# Altium PCB Horizontal Circuit Board.PcbDoc (part 2 of 2) (continued)
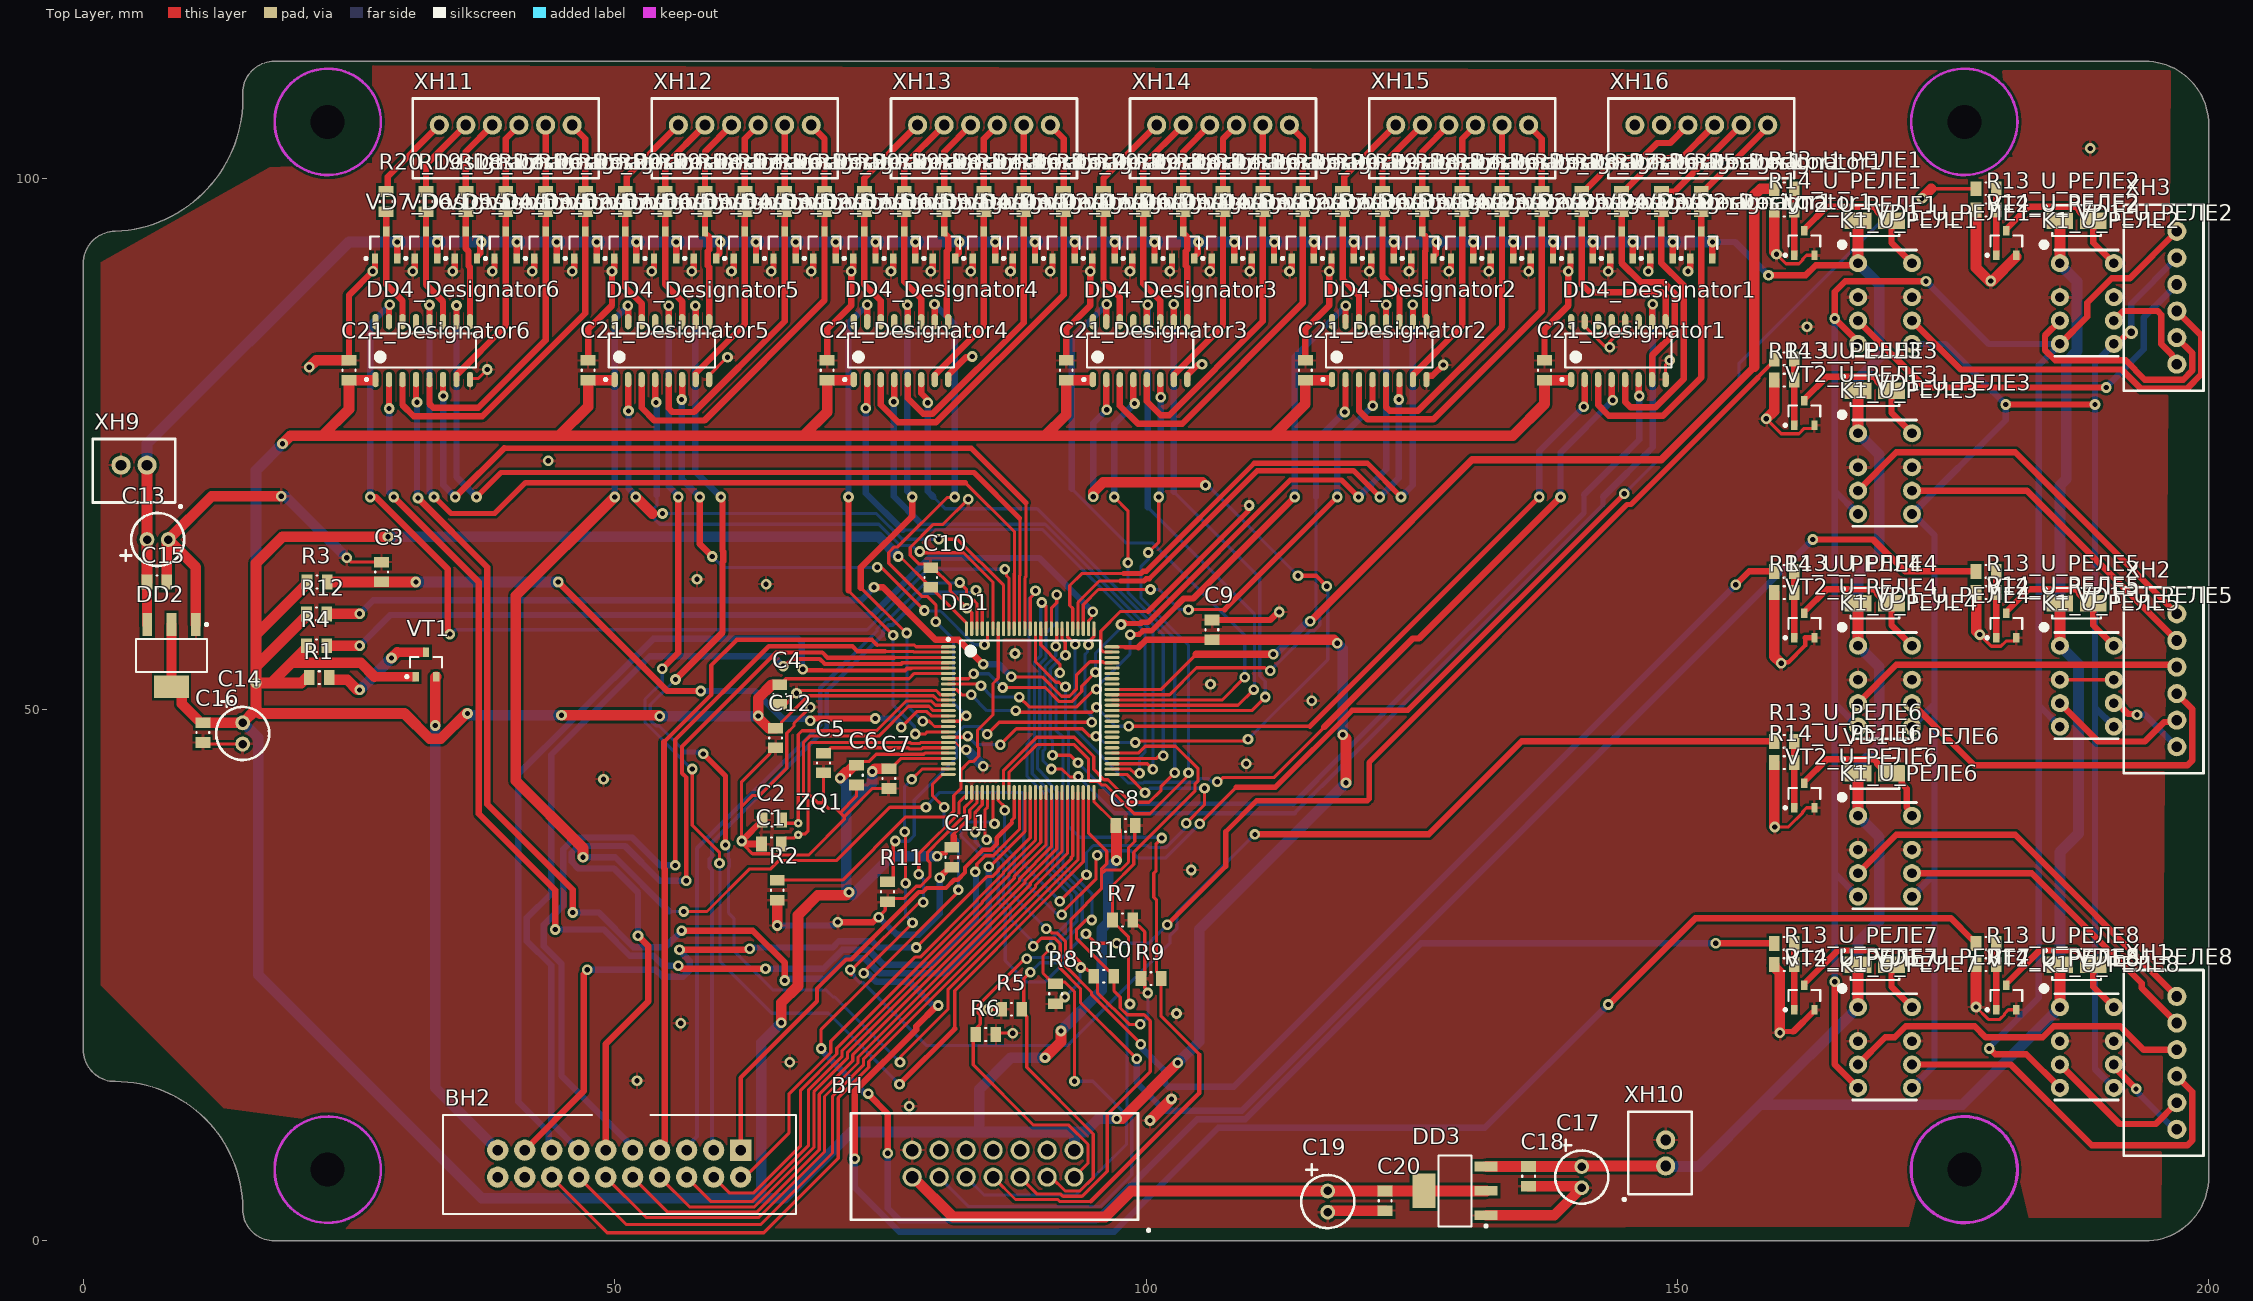
[diagram p0: Top Layer view]
## Nets (pads, with @x,y where several pads share a name; then routed paths per layer and width w, separated by ;. In a path a pad name is that pad's centre, name@x,y a point inside that pad or via, vN(x,y) a via of type N, cw(c..) or ccw(c..) an arc to the next point about the centre after c; other vN are vias at no path point) (continued)
NetDD4_Designator4_5: DD4_Designator4.5 R16_Designator4.2 VD3_Designator4.3 | length 27.3
  Top Layer w0.6: DD4_Designator4.5@77.58,81.05 77.58,79.279 79.038,77.821 79.912,77.821 88.5,86.409 VD3_Designator4.3@88.5,95 R16_Designator4.2@88.5,96.85
NetDD4_Designator4_7: DD4_Designator4.7 R17_Designator4.2 VD4_Designator4.3 | length 17.7
  Top Layer w0.6: DD4_Designator4.7@80.12,81.05 80.12,81.475 84.75,86.105 VD4_Designator4.3@84.75,95 R17_Designator4.2@84.75,96.85
NetDD4_Designator4_9: DD4_Designator4.9 R18_Designator4.2 VD5_Designator4.3 | length 10.7
  Top Layer w0.6: R18_Designator4.2@81,96.85 81,94.825 81.039,94.825 81.39,94.474 81.39,93.272 81.25,93.132 81.25,87.065 81.39,86.925 DD4_Designator4.9@81.39,86.5
NetDD4_Designator4_11: DD4_Designator4.11 R19_Designator4.2 VD6_Designator4.3 | length 11
  Top Layer w0.6: R19_Designator4.2@77.25,96.85 VD6_Designator4.3@77.25,95 77.25,90.25 78.85,88.65 DD4_Designator4.11@78.85,86.5
NetDD4_Designator4_14: DD4_Designator4.14 R20_Designator4.2 VD7_Designator4.3 | length 11
  Top Layer w0.6: R20_Designator4.2@73.5,96.85 VD7_Designator4.3@73.5,95 73.5,90 75.04,88.46 DD4_Designator4.14@75.04,86.5
NetDD4_Designator5_3: DD4_Designator5.3 R15_Designator5.2 VD2_Designator5.3 | length 33.4
  Top Layer w0.6: DD4_Designator5.3@52.54,81.05 52.54,78.394 53.734,77.2 58.45,77.2 69.75,88.5 VD2_Designator5.3@69.75,95 R15_Designator5.2@69.75,96.85
NetDD4_Designator5_5: DD4_Designator5.5 R16_Designator5.2 VD3_Designator5.3 | length 27.6
  Top Layer w0.6: DD4_Designator5.5@55.08,81.05 55.08,78.351 55.431,78 57.473,78 66,86.527 VD3_Designator5.3@66,95 R16_Designator5.2@66,96.85
NetDD4_Designator5_7: DD4_Designator5.7 R17_Designator5.2 VD4_Designator5.3 | length 17.7
  Top Layer w0.6: DD4_Designator5.7@57.62,81.05 57.62,81.636 62.25,86.266 VD4_Designator5.3@62.25,95 R17_Designator5.2@62.25,96.85
NetDD4_Designator5_9: DD4_Designator5.9 R18_Designator5.2 VD5_Designator5.3 | length 10.7
  Top Layer w0.6: R18_Designator5.2@58.5,96.85 58.5,94.825 58.539,94.825 58.89,94.474 58.89,93.272 58.75,93.132 58.75,91.768 58.89,91.628 DD4_Designator5.9@58.89,86.5
NetDD4_Designator5_11: DD4_Designator5.11 R19_Designator5.2 VD6_Designator5.3 | length 11
  Top Layer w0.6: R19_Designator5.2@54.75,96.85 VD6_Designator5.3@54.75,95 54.75,90 56.35,88.4 DD4_Designator5.11@56.35,86.5
NetDD4_Designator5_14: DD4_Designator5.14 R20_Designator5.2 VD7_Designator5.3 | length 11
  Top Layer w0.6: R20_Designator5.2@51,96.85 VD7_Designator5.3@51,95 51,89.75 52.54,88.21 DD4_Designator5.14@52.54,86.5
NetDD4_Designator6_3: DD4_Designator6.3 R15_Designator6.2 VD2_Designator6.3 | length 33.6
  Top Layer w0.6: DD4_Designator6.3@30.04,81.05 30.04,78.66 31.1,77.6 37.558,77.6 47.25,87.292 VD2_Designator6.3@47.25,95 R15_Designator6.2@47.25,96.85
NetDD4_Designator6_5: DD4_Designator6.5 R16_Designator6.2 VD3_Designator6.3 | length 28.1
  Top Layer w0.6: DD4_Designator6.5@32.58,81.05 32.58,78.751 32.931,78.4 37.15,78.4 43.5,84.75 VD3_Designator6.3@43.5,95 R16_Designator6.2@43.5,96.85
NetDD4_Designator6_7: DD4_Designator6.7 R17_Designator6.2 VD4_Designator6.3 | length 17.7
  Top Layer w0.6: DD4_Designator6.7@35.12,81.05 35.12,81.475 39.75,86.105 VD4_Designator6.3@39.75,95 R17_Designator6.2@39.75,96.85
NetDD4_Designator6_9: DD4_Designator6.9 R18_Designator6.2 VD5_Designator6.3 | length 10.5
  Top Layer w0.6: R18_Designator6.2@36,96.85 VD5_Designator6.3@36,95 36,93.382 36.25,93.132 36.25,91.768 36.39,91.628 DD4_Designator6.9@36.39,86.5
NetDD4_Designator6_11: DD4_Designator6.11 R19_Designator6.2 VD6_Designator6.3 | length 11
  Top Layer w0.6: R19_Designator6.2@32.25,96.85 VD6_Designator6.3@32.25,95 32.25,90 33.85,88.4 DD4_Designator6.11@33.85,86.5
NetDD4_Designator6_14: DD4_Designator6.14 R20_Designator6.2 VD7_Designator6.3 | length 11
  Top Layer w0.6: R20_Designator6.2@28.5,96.85 VD7_Designator6.3@28.5,95 28.5,90 30.04,88.46 DD4_Designator6.14@30.04,86.5
NetK1_U_РЕЛЕ1_3: K1_U_РЕЛЕ1.3 XH3.4 | length 38.4
  Top Layer w0.6: K1_U_РЕЛЕ1.3@167,86.6 173.3,80.3 v1(190.354,80.3)
  Bottom Layer w0.6: v1(190.354,80.3) 190.354,80.354 193.889,83.889 193.889,86.889 XH3.4@197,90
NetK1_U_РЕЛЕ1_4: K1_U_РЕЛЕ1.4 K1_U_РЕЛЕ2.4 K1_U_РЕЛЕ3.4 K1_U_РЕЛЕ4.4 K1_U_РЕЛЕ5.4 K1_U_РЕЛЕ6.4 K1_U_РЕЛЕ7.4 K1_U_РЕЛЕ8.4 XH3.6 | length 208.7
  Top Layer w0.6: v1(164.8,24.4) 164.8,16.6 K1_U_РЕЛЕ7.4@167,14.4 ; K1_U_РЕЛЕ1.4@167,84.4 167,84.6 v1(164.8,86.8) 164.8,89.3 165.8,90.3 v1(173.4,90.3) ; v1(179.35,18.1) 179.376,18.1 179.901,17.575 182.825,17.575 K1_U_РЕЛЕ8.4@186,14.4 ; K1_U_РЕЛЕ2.4@186,84.4 188.571,86.971 188.571,88.277 190.89,90.596 192.596,90.596 XH3.6@197,95
  Bottom Layer w0.6: v1(164.8,24.4) 164.8,34.6 ; v1(164.8,86.8) 164.8,70.6 ; K1_U_РЕЛЕ6.4@167,32.4 164.8,34.6 ; K1_U_РЕЛЕ4.4@167,48.4 164.8,50.6 ; K1_U_РЕЛЕ3.4@167,68.4 164.8,70.6 ; v1(173.4,90.3) 179.3,84.4 K1_U_РЕЛЕ2.4@186,84.4 184,82.4 184,50.4 ; v1(179.35,18.1) 179.35,18.225 184,22.875 184,50.4 ; K1_U_РЕЛЕ5.4@186,48.4 184,50.4 ; 164.8,34.6 164.8,50.6 ; 164.8,50.6 164.8,70.6
NetK1_U_РЕЛЕ1_5: K1_U_РЕЛЕ1.5 K1_U_РЕЛЕ2.5 K1_U_РЕЛЕ3.5 K1_U_РЕЛЕ4.5 K1_U_РЕЛЕ5.5 K1_U_РЕЛЕ6.5 K1_U_РЕЛЕ7.5 K1_U_РЕЛЕ8.5 XH3.5 | length 180.2
  Top Layer w0.6: v1(180.9,78.7) v1(189.3,78.7) ; K1_U_РЕЛЕ2.5@191.08,84.4 191.378,84.4 192.349,85.372 192.572,85.372 v2(192.7,85.5)
  Bottom Layer w0.6: K1_U_РЕЛЕ7.5@172.08,14.4 174.2,16.52 174.2,34.52 ; K1_U_РЕЛЕ6.5@172.08,32.4 174.2,34.52 ; K1_U_РЕЛЕ4.5@172.08,48.4 174.2,50.52 ; K1_U_РЕЛЕ1.5@172.08,84.4 175.2,84.4 v1(180.9,78.7) 180.9,77.22 K1_U_РЕЛЕ3.5@172.08,68.4 172.2,68.4 174.2,66.4 174.2,50.52 ; K1_U_РЕЛЕ8.5@191.08,14.4 189.3,16.18 189.3,50.18 ; K1_U_РЕЛЕ5.5@191.08,48.4 189.3,50.18 ; K1_U_РЕЛЕ2.5@191.08,84.4 189.3,82.62 v1(189.3,78.7) 189.3,50.18 ; v2(192.7,85.5) 192.7,88.2 XH3.5@197,92.5 ; 174.2,34.52 174.2,50.52
NetK1_U_РЕЛЕ1_6: K1_U_РЕЛЕ1.6 XH3.3 | length 37.4
  Top Layer w0.6: K1_U_РЕЛЕ1.6@172.08,86.6 176.68,82 191.824,82 193.632,80.192 197.956,80.192 199.308,81.544 199.308,85.192 XH3.3@197,87.5
NetK1_U_РЕЛЕ1_8: K1_U_РЕЛЕ1.8 VD1_U_РЕЛЕ1.2 VT2_U_РЕЛЕ1.3 | length 14.7
  Top Layer w0.6: VT2_U_РЕЛЕ1.3@161.95,95.05 161.95,95.2 164.079,97.329 168.479,97.329 168.804,97.004 168.804,96.871 169.675,96 VD1_U_РЕЛЕ1.2@170.15,96 170.15,93.93 K1_U_РЕЛЕ1.8@172.08,92
NetK1_U_РЕЛЕ2_3: K1_U_РЕЛЕ2.3 XH3.2 | length 22.4
  Top Layer w0.6: K1_U_РЕЛЕ2.3@186,86.6 184.596,85.196 184.596,83.818 185.56,82.854 192.178,82.854 193.986,81.046 197.602,81.046 198.454,81.898 198.454,83.546 XH3.2@197,85
NetK1_U_РЕЛЕ2_6: K1_U_РЕЛЕ2.6 XH3.1 | length 10.2
  Top Layer w0.6: K1_U_РЕЛЕ2.6@191.08,86.6 191.081,86.6 191.981,87.5 195.195,87.5 195.546,87.149 195.546,84.398 196.549,83.395 196.549,83.276 197,82.825 XH3.1@197,82.5
NetK1_U_РЕЛЕ2_8: K1_U_РЕЛЕ2.8 VD1_U_РЕЛЕ2.2 VT2_U_РЕЛЕ2.3 | length 14.7
  Top Layer w0.6: VT2_U_РЕЛЕ2.3@180.95,95.05 180.95,95.2 183.079,97.329 187.479,97.329 187.804,97.004 187.804,96.871 188.675,96 VD1_U_РЕЛЕ2.2@189.15,96 189.15,93.93 K1_U_РЕЛЕ2.8@191.08,92
NetK1_U_РЕЛЕ3_3: K1_U_РЕЛЕ3.3 XH2.6 | length 37.8
  Top Layer w0.6: K1_U_РЕЛЕ3.3@167,70.6 170.604,74.204 181.796,74.204 XH2.6@197,59
NetK1_U_РЕЛЕ3_6: K1_U_РЕЛЕ3.6 XH2.5 | length 30.8
  Top Layer w0.6: K1_U_РЕЛЕ3.6@172.08,70.6 182.9,70.6 XH2.5@197,56.5
NetK1_U_РЕЛЕ3_8: K1_U_РЕЛЕ3.8 VD1_U_РЕЛЕ3.2 VT2_U_РЕЛЕ3.3 | length 14.7
  Top Layer w0.6: VT2_U_РЕЛЕ3.3@161.95,79.05 161.95,79.2 164.079,81.329 168.479,81.329 168.804,81.004 168.804,80.871 169.675,80 VD1_U_РЕЛЕ3.2@170.15,80 170.15,77.93 K1_U_РЕЛЕ3.8@172.08,76
NetK1_U_РЕЛЕ4_3: K1_U_РЕЛЕ4.3 XH2.4 | length 31.6
  Top Layer w0.6: K1_U_РЕЛЕ4.3@167,50.6 170.604,54.204 196.796,54.204 XH2.4@197,54
NetK1_U_РЕЛЕ4_6: K1_U_РЕЛЕ4.6 XH2.3 | length 35.9
  Top Layer w0.6: K1_U_РЕЛЕ4.6@172.08,50.6 177.93,44.75 198,44.75 198.454,45.204 198.454,50.046 XH2.3@197,51.5
NetK1_U_РЕЛЕ4_8: K1_U_РЕЛЕ4.8 VD1_U_РЕЛЕ4.2 VT2_U_РЕЛЕ4.3 | length 14.7
  Top Layer w0.6: VT2_U_РЕЛЕ4.3@161.95,59.05 161.95,59.2 164.079,61.329 168.479,61.329 168.804,61.004 168.804,60.871 169.675,60 VD1_U_РЕЛЕ4.2@170.15,60 170.15,57.93 K1_U_РЕЛЕ4.8@172.08,56
NetK1_U_РЕЛЕ5_3: K1_U_РЕЛЕ5.3 XH2.2 | length 13.3
  Top Layer w0.6: K1_U_РЕЛЕ5.3@186,50.6 189.604,46.996 193.996,46.996 195.827,48.827 196.827,48.827 XH2.2@197,49
NetK1_U_РЕЛЕ5_6: K1_U_РЕЛЕ5.6 XH2.1 | length 7.6
  Top Layer w0.6: K1_U_РЕЛЕ5.6@191.08,50.6 191.378,50.6 192.401,49.577 193.173,49.577 v1(193.25,49.5)
  Bottom Layer w0.6: v1(193.25,49.5) 194,49.5 XH2.1@197,46.5
NetK1_U_РЕЛЕ5_8: K1_U_РЕЛЕ5.8 VD1_U_РЕЛЕ5.2 VT2_U_РЕЛЕ5.3 | length 14.7
  Top Layer w0.6: VT2_U_РЕЛЕ5.3@180.95,59.05 180.95,59.2 183.079,61.329 187.479,61.329 187.804,61.004 187.804,60.871 188.675,60 VD1_U_РЕЛЕ5.2@189.15,60 189.15,57.93 K1_U_РЕЛЕ5.8@191.08,56
NetK1_U_РЕЛЕ6_3: K1_U_РЕЛЕ6.3 XH1.6 | length 37.8
  Top Layer w0.6: K1_U_РЕЛЕ6.3@167,34.6 170.604,38.204 181.796,38.204 XH1.6@197,23
NetK1_U_РЕЛЕ6_6: K1_U_РЕЛЕ6.6 XH1.5 | length 31
  Top Layer w0.6: K1_U_РЕЛЕ6.6@172.08,34.6 183.358,34.6 193.7,24.259 193.7,23.8 XH1.5@197,20.5
NetK1_U_РЕЛЕ6_8: K1_U_РЕЛЕ6.8 VD1_U_РЕЛЕ6.2 VT2_U_РЕЛЕ6.3 | length 14.9
  Top Layer w0.6: VT2_U_РЕЛЕ6.3@161.95,43.05 161.95,43.2 164.079,45.329 168.479,45.329 168.804,45.004 168.804,44.871 169.675,44 170.625,44 171.1,43.525 171.1,43.05 171.6,42.55 171.6,40.778 172.08,40.298 K1_U_РЕЛЕ6.8@172.08,40
NetK1_U_РЕЛЕ7_3: K1_U_РЕЛЕ7.3 XH1.4 | length 33.3
  Top Layer w0.6: K1_U_РЕЛЕ7.3@167,16.6 169.575,19.175 170.469,19.175 171.498,20.204 177.971,20.204 179,19.175 184.389,19.175 185.418,20.204 191.662,20.204 193.866,18 XH1.4@197,18
NetK1_U_РЕЛЕ7_6: K1_U_РЕЛЕ7.6 XH1.3 | length 36.4
  Top Layer w0.6: K1_U_РЕЛЕ7.6@172.08,16.6 181.387,16.6 188.989,8.999 197.999,8.999 198.454,9.454 198.454,14.046 XH1.3@197,15.5
NetK1_U_РЕЛЕ7_8: K1_U_РЕЛЕ7.8 VD1_U_РЕЛЕ7.2 VT2_U_РЕЛЕ7.3 | length 15.1
  Top Layer w0.6: VT2_U_РЕЛЕ7.3@161.95,24.05 161.95,24.2 165.079,27.329 168.479,27.329 168.804,27.004 168.804,26.871 169.675,26 VD1_U_РЕЛЕ7.2@170.15,26 170.15,23.93 K1_U_РЕЛЕ7.8@172.08,22
NetK1_U_РЕЛЕ8_3: K1_U_РЕЛЕ8.3 XH1.2 | length 14.1
  Top Layer w0.6: K1_U_РЕЛЕ8.3@186,16.6 191.6,11 195,11 XH1.2@197,13
NetK1_U_РЕЛЕ8_6: K1_U_РЕЛЕ8.6 XH1.1 | length 8.7
  Top Layer w0.6: K1_U_РЕЛЕ8.6@191.08,16.6 191.08,16.386 v1(193.166,14.3)
  Bottom Layer w0.6: v1(193.166,14.3) 193.166,14.084 196.75,10.5 XH1.1@197,10.5
NetK1_U_РЕЛЕ8_8: K1_U_РЕЛЕ8.8 VD1_U_РЕЛЕ8.2 VT2_U_РЕЛЕ8.3 | length 15.1
  Top Layer w0.6: VT2_U_РЕЛЕ8.3@180.95,24.05 180.95,24.2 184.079,27.329 187.479,27.329 187.804,27.004 187.804,26.871 188.675,26 VD1_U_РЕЛЕ8.2@189.15,26 189.15,23.93 K1_U_РЕЛЕ8.8@191.08,22
NetR1_1: R1.1 VT1.3 | length 11
  Top Layer w0.9: 29.554,55.4 VT1.3@32.054,55.4
  Top Layer w1: R1.1@23.15,53 23.15,52.8 24.828,52.8 25.782,51.846 v1(26,51.846) ; v1(29,54.846) 29.554,55.4
  Bottom Layer w1: v1(26,51.846) v1(29,54.846)
NetR13_U_РЕЛЕ1_2: R13_U_РЕЛЕ1.2 R14_U_РЕЛЕ1.2 VT2_U_РЕЛЕ1.1 | length 6.3
  Top Layer w0.6: VT2_U_РЕЛЕ1.1@161,92.75 R14_U_РЕЛЕ1.2@161,97 R13_U_РЕЛЕ1.2@161,99
NetR13_U_РЕЛЕ2_2: R13_U_РЕЛЕ2.2 R14_U_РЕЛЕ2.2 VT2_U_РЕЛЕ2.1 | length 6.3
  Top Layer w0.6: VT2_U_РЕЛЕ2.1@180,92.75 R14_U_РЕЛЕ2.2@180,97 R13_U_РЕЛЕ2.2@180,99
NetR13_U_РЕЛЕ3_2: R13_U_РЕЛЕ3.2 R14_U_РЕЛЕ3.2 VT2_U_РЕЛЕ3.1 | length 6.3
  Top Layer w0.6: VT2_U_РЕЛЕ3.1@161,76.75 R14_U_РЕЛЕ3.2@161,81 R13_U_РЕЛЕ3.2@161,83
NetR13_U_РЕЛЕ4_2: R13_U_РЕЛЕ4.2 R14_U_РЕЛЕ4.2 VT2_U_РЕЛЕ4.1 | length 6.3
  Top Layer w0.6: VT2_U_РЕЛЕ4.1@161,56.75 R14_U_РЕЛЕ4.2@161,61 R13_U_РЕЛЕ4.2@161,63
NetR13_U_РЕЛЕ5_2: R13_U_РЕЛЕ5.2 R14_U_РЕЛЕ5.2 VT2_U_РЕЛЕ5.1 | length 6.3
  Top Layer w0.6: VT2_U_РЕЛЕ5.1@180,56.75 R14_U_РЕЛЕ5.2@180,61 R13_U_РЕЛЕ5.2@180,63
NetR13_U_РЕЛЕ6_2: R13_U_РЕЛЕ6.2 R14_U_РЕЛЕ6.2 VT2_U_РЕЛЕ6.1 | length 6.3
  Top Layer w0.6: VT2_U_РЕЛЕ6.1@161,40.75 R14_U_РЕЛЕ6.2@161,45 R13_U_РЕЛЕ6.2@161,47
NetR13_U_РЕЛЕ7_2: R13_U_РЕЛЕ7.2 R14_U_РЕЛЕ7.2 VT2_U_РЕЛЕ7.1 | length 6.3
  Top Layer w0.6: VT2_U_РЕЛЕ7.1@161,21.75 R14_U_РЕЛЕ7.2@161,26 R13_U_РЕЛЕ7.2@161,28
NetR13_U_РЕЛЕ8_2: R13_U_РЕЛЕ8.2 R14_U_РЕЛЕ8.2 VT2_U_РЕЛЕ8.1 | length 6.3
  Top Layer w0.6: VT2_U_РЕЛЕ8.1@180,21.75 R14_U_РЕЛЕ8.2@180,26 R13_U_РЕЛЕ8.2@180,28
NetR15_Designator1_1: R15_Designator1.1 XH16.1 | length 9
  Top Layer w0.6: R15_Designator1.1@152.25,98.75 152.45,98.75 158.5,104.8 XH16.1@158.5,105
NetR15_Designator2_1: R15_Designator2.1 XH15.1 | length 6.8
  Top Layer w0.6: XH15.1@136,105 136,104.954 137.25,103.704 R15_Designator2.1@137.25,98.75
NetR15_Designator3_1: R15_Designator3.1 XH14.1 | length 6.8
  Top Layer w0.6: XH14.1@113.5,105 113.5,104.954 114.75,103.704 R15_Designator3.1@114.75,98.75
NetR15_Designator4_1: R15_Designator4.1 XH13.1 | length 6.8
  Top Layer w0.6: XH13.1@91,105 91,104.954 92.25,103.704 R15_Designator4.1@92.25,98.75
NetR15_Designator5_1: R15_Designator5.1 XH12.1 | length 6.8
  Top Layer w0.6: XH12.1@68.5,105 68.5,104.954 69.75,103.704 R15_Designator5.1@69.75,98.75
NetR15_Designator6_1: R15_Designator6.1 XH11.1 | length 6.8
  Top Layer w0.6: XH11.1@46,105 46,104.954 47.25,103.704 R15_Designator6.1@47.25,98.75
NetR16_Designator1_1: R16_Designator1.1 XH16.2 | length 10.1
  Top Layer w0.6: R16_Designator1.1@148.5,98.75 149.75,98.75 XH16.2@156,105
NetR16_Designator2_1: R16_Designator2.1 XH15.2 | length 6.3
  Top Layer w0.6: R16_Designator2.1@133.5,98.75 XH15.2@133.5,105
NetR16_Designator3_1: R16_Designator3.1 XH14.2 | length 6.3
  Top Layer w0.6: R16_Designator3.1@111,98.75 XH14.2@111,105
NetR16_Designator4_1: R16_Designator4.1 XH13.2 | length 6.3
  Top Layer w0.6: R16_Designator4.1@88.5,98.75 XH13.2@88.5,105
NetR16_Designator5_1: R16_Designator5.1 XH12.2 | length 6.3
  Top Layer w0.6: R16_Designator5.1@66,98.75 XH12.2@66,105
NetR16_Designator6_1: R16_Designator6.1 XH11.2 | length 6.3
  Top Layer w0.6: R16_Designator6.1@43.5,98.75 XH11.2@43.5,105
NetR17_Designator1_1: R17_Designator1.1 XH16.3 | length 11.3
  Top Layer w0.6: R17_Designator1.1@144.75,98.75 144.95,98.75 148.06,101.86 150.36,101.86 XH16.3@153.5,105
NetR17_Designator2_1: R17_Designator2.1 XH15.3 | length 6.8
  Top Layer w0.6: R17_Designator2.1@129.75,98.75 129.75,103.704 131,104.954 XH15.3@131,105
NetR17_Designator3_1: R17_Designator3.1 XH14.3 | length 6.8
  Top Layer w0.6: R17_Designator3.1@107.25,98.75 107.25,103.704 108.5,104.954 XH14.3@108.5,105
NetR17_Designator4_1: R17_Designator4.1 XH13.3 | length 6.8
  Top Layer w0.6: R17_Designator4.1@84.75,98.75 84.75,103.704 86,104.954 XH13.3@86,105
NetR17_Designator5_1: R17_Designator5.1 XH12.3 | length 6.8
  Top Layer w0.6: R17_Designator5.1@62.25,98.75 62.25,103.704 63.5,104.954 XH12.3@63.5,105
NetR17_Designator6_1: R17_Designator6.1 XH11.3 | length 6.8
  Top Layer w0.6: R17_Designator6.1@39.75,98.75 39.75,103.704 41,104.954 XH11.3@41,105
NetR18_Designator1_1: R18_Designator1.1 XH16.4 | length 12.6
  Top Layer w0.6: R18_Designator1.1@141,98.75 141.2,98.75 144.31,101.86 146.652,101.86 148.108,103.315 149.315,103.315 XH16.4@151,105
NetR18_Designator2_1: R18_Designator2.1 XH15.4 | length 7.3
  Top Layer w0.6: R18_Designator2.1@126,98.75 126,102.5 XH15.4@128.5,105
NetR18_Designator3_1: R18_Designator3.1 XH14.4 | length 7.3
  Top Layer w0.6: R18_Designator3.1@103.5,98.75 103.5,102.5 XH14.4@106,105
NetR18_Designator4_1: R18_Designator4.1 XH13.4 | length 7.3
  Top Layer w0.6: R18_Designator4.1@81,98.75 81,102.5 XH13.4@83.5,105
NetR18_Designator5_1: R18_Designator5.1 XH12.4 | length 7.3
  Top Layer w0.6: R18_Designator5.1@58.5,98.75 58.5,102.5 XH12.4@61,105
NetR18_Designator6_1: R18_Designator6.1 XH11.4 | length 7.3
  Top Layer w0.6: R18_Designator6.1@36,98.75 36,102.5 XH11.4@38.5,105
NetR19_Designator2_1: R19_Designator2.1 XH15.5 | length 7.8
  Top Layer w0.6: R19_Designator2.1@122.25,98.75 122.25,101.25 XH15.5@126,105
NetR19_Designator3_1: R19_Designator3.1 XH14.5 | length 7.8
  Top Layer w0.6: R19_Designator3.1@99.75,98.75 99.75,101.25 XH14.5@103.5,105
NetR19_Designator4_1: R19_Designator4.1 XH13.5 | length 7.8
  Top Layer w0.6: R19_Designator4.1@77.25,98.75 77.25,101.25 XH13.5@81,105
NetR19_Designator5_1: R19_Designator5.1 XH12.5 | length 7.8
  Top Layer w0.6: R19_Designator5.1@54.75,98.75 54.75,101.25 XH12.5@58.5,105
NetR19_Designator6_1: R19_Designator6.1 XH11.5 | length 7.8
  Top Layer w0.6: R19_Designator6.1@32.25,98.75 32.25,101.25 XH11.5@36,105
NetR20_Designator2_1: R20_Designator2.1 XH15.6 | length 8.3
  Top Layer w0.6: R20_Designator2.1@118.5,98.75 118.65,98.9 118.65,100.15 XH15.6@123.5,105
NetR20_Designator3_1: R20_Designator3.1 XH14.6 | length 8.3
  Top Layer w0.6: R20_Designator3.1@96,98.75 96,100 XH14.6@101,105
NetR20_Designator4_1: R20_Designator4.1 XH13.6 | length 8.3
  Top Layer w0.6: R20_Designator4.1@73.5,98.75 73.5,100 XH13.6@78.5,105
NetR20_Designator5_1: R20_Designator5.1 XH12.6 | length 8.3
  Top Layer w0.6: R20_Designator5.1@51,98.75 51.15,98.9 51.15,100.15 XH12.6@56,105
NetR20_Designator6_1: R20_Designator6.1 XH11.6 | length 8.3
  Top Layer w0.6: R20_Designator6.1@28.5,98.75 28.65,98.9 28.65,100.15 XH11.6@33.5,105
S1: BH2.1 DD1.35 | length 46.5
  Top Layer w0.3: 87.361,39.339 87.361,39.583 87.6,39.822 87.6,40.407 87.6,40.678 DD1.35@87.6,42.2
  Top Layer w0.4: BH2.1@61.86,8.54 61.86,15.361 69.046,22.547 69.046,23.743 71.783,26.48 72.264,26.48 78.612,32.829 79.004,32.829 79.375,33.2 81.176,33.2 81.955,33.979 82.295,33.979 82.971,34.655 82.971,35.125 84.642,36.796 85.395,36.796 85.954,37.355 85.954,37.932 87.361,39.339
SB2: BH2.2 DD1.97 | length 70
  Top Layer w0.3: v1(84,61.225) 84.6,60.625 DD1.97@84.6,57.6
  Bottom Layer w0.3: 83.125,61 83.554,61 83.779,61.225 v1(84,61.225)
  Bottom Layer w0.4: BH2.2@59.32,8.54 59.15,8.71 59.15,34.923 58.919,35.154 58.919,35.945 59.15,36.176 59.15,37.495 69.957,48.303 69.957,51.757 75.246,57.046 75.246,57.395 75.805,57.954 76.154,57.954 79.2,61 83.125,61
SB11: BH2.3 DD1.98 | length 71.2
  Top Layer w0.3: v1(82.477,61.954) 83.096,61.335 83.096,60.851 83.626,60.321 83.754,60.321 84.1,59.975 DD1.98@84.1,57.6
  Bottom Layer w0.3: 72.032,54.732 74.696,57.396 74.696,57.623 75.577,58.504 75.804,58.504 79.2,61.9 82.423,61.9 v1(82.477,61.954)
  Bottom Layer w0.4: BH2.3@56.78,8.54 56.78,8.854 57.754,9.828 57.754,36.948 69.357,48.551 69.357,52.057 72.032,54.732
SB12: BH2.4 DD1.1 | length 71.3
  Top Layer w0.3: 74.7,56.075 78.207,56.075 78.382,55.9 DD1.1@81.4,55.9
  Top Layer w0.4: 54.639,46.94 59.079,51.38 59.079,54.143 61.494,56.558 74.217,56.558 74.7,56.075
  Top Layer w0.6: BH2.4@54.24,8.54 54.24,8.919 54.7,9.379 54.7,34.98 54.639,35.041 54.639,46.94
SB13: BH2.5 DD1.2 | length 86
  Top Layer w0.3: 75.45,55.475 75.475,55.45 78.125,55.45 78.175,55.4 DD1.2@81.4,55.4
  Top Layer w0.4: v1(55.693,35.333) 55.693,47.145 64.506,55.958 72.38,55.958 72.863,55.475 75.45,55.475
  Bottom Layer w0.6: BH2.5@51.7,8.54 51.7,8.841 44.996,15.545 44.996,26.082 43.346,27.732 43.346,29.737 45.171,31.562 45.171,36.868 46.257,37.954 51.646,37.954 54.267,35.333 v1(55.693,35.333)
SB14: BH2.6 DD1.3 | length 88.7
  Top Layer w0.3: 76.301,54.9 80.85,54.9 DD1.3@81.4,54.9
  Top Layer w0.4: v1(56.747,33.886) 56.747,43.601 56.343,44.005 56.343,46.518 65.183,55.358 69.544,55.358 70.027,54.875 76.276,54.875 76.301,54.9
  Top Layer w0.6: BH2.6@49.16,8.54 49.16,18.529 53.154,22.523 53.154,27.746 v1(52.2,28.7)
  Bottom Layer w0.6: v1(52.2,28.7) 52.2,32.781 49.935,35.046 46.588,35.046 45.971,35.663 45.971,36.537 46.588,37.154 50.971,37.154 54.239,33.886 v1(56.747,33.886)
SB15: BH2.7 DD1.4 | length 82.3
  Top Layer w0.3: 77.05,54.35 77.1,54.4 80.85,54.4 DD1.4@81.4,54.4
  Top Layer w0.4: v1(65.85,54.075) 66.012,54.075 66.695,54.758 69.295,54.758 69.778,54.275 76.975,54.275 77.05,54.35
  Bottom Layer w0.6: BH2.7@46.62,8.54 44.021,11.139 44.021,25.926 41.746,28.201 41.746,30.399 44.021,32.674 44.021,45.746 53.3,55.025 64.9,55.025 v1(65.85,54.075)
SB16: BH2.8 DD1.5 | length 85.2
  Top Layer w0.3: 77.875,53.85 77.925,53.9 DD1.5@81.4,53.9
  Top Layer w0.4: v1(67.69,53.804) 67.805,53.689 69.515,53.689 69.53,53.675 77.326,53.675 77.501,53.85 77.875,53.85
  Bottom Layer w0.6: BH2.8@44.08,8.54 43.812,8.808 43.812,10.217 40.946,13.083 40.946,43.93 46.054,49.038 46.054,49.079 53.65,56.675 67.262,56.675 67.614,56.324 67.614,53.881 v1(67.69,53.804)
SB17: BH2.9 DD1.38 | length 74.1
  Top Layer w0.3: v1(78.389,27.611) 85.074,34.296 85.574,34.296 86.104,34.825 86.104,34.923 89.1,37.919 89.1,41.029 89.1,41.3 DD1.38@89.1,42.2
  Top Layer w0.6: BH2.9@41.54,8.54 47.1,14.1 47.1,25.092 47.425,25.417 v1(47.425,25.525) ; v1(56.1,27.4) 62.6,27.4 v1(62.7,27.5)
  Bottom Layer w0.6: v1(47.425,25.525) 53.844,25.525 54.523,24.846 56.437,24.846 57.054,25.463 57.054,26.337 56.1,27.291 v1(56.1,27.4) ; v1(62.7,27.5) 62.777,27.577 63.059,27.577 63.094,27.611 70.51,27.611 71.079,28.18 74.223,28.18 74.793,27.611 v1(78.389,27.611)
ZD1: DD1.81 DD4_Designator1.4 | length 82.1
  Top Layer w0.3: DD1.81@92.6,57.6 92.6,56.843 93.315,56.128 v1(93.329,56.128) ; v1(106.7,43.2) 106.826,43.2 107.226,43.6 112.019,43.6 116.771,48.352
  Top Layer w0.6: 116.771,48.352 125.103,56.683 125.683,56.683 v1(139,70) ; DD4_Designator1.4@143.81,81.05 143.81,79.323 143.925,79.208 v1(143.925,79.1)
  Bottom Layer w0.3: v1(93.329,56.128) 93.329,48.096 98.333,43.092 99.77,43.092 99.828,43.15 104.775,43.15 105.131,43.506 105.88,43.506 106.186,43.2 v1(106.7,43.2)
  Bottom Layer w0.6: v1(139,70) 139,74.175 v1(143.925,79.1)
ZD2: DD1.82 DD4_Designator1.6 | length 90.9
  Top Layer w0.3: v1(91.2,45.7) 92.861,45.7 93.561,45 v1(93.6,45) ; DD1.82@92.1,57.6 92.1,56.636 92.404,56.332 92.404,55.131 v1(92.425,55.109)
  Top Layer w0.6: DD4_Designator1.6@146.35,81.05 146.35,79.55 v1(146.4,79.5)
  Bottom Layer w0.3: v1(91.2,45.7) 91.2,47.1 90.996,47.304 90.996,53.849 92.256,55.109 v1(92.425,55.109) ; v1(93.6,45) 97.475,41.125 ; 118.496,45.796 118.571,45.796 ; 119.454,46.679 119.454,46.754
  Bottom Layer w0.4: 97.475,41.125 113.825,41.125
  Bottom Layer w0.5: 113.825,41.125 118.496,45.796 119.454,46.754 141.21,68.51 141.21,70.21
  Bottom Layer w0.6: 141.21,70.21 146.4,75.4 v1(146.4,79.5)
ZD3: DD1.83 DD4_Designator1.10 | length 102.3
  Top Layer w0.3: v1(91.1,44.4) 92.1,44.4 92.846,43.654 93.581,43.654 v1(93.624,43.697) ; v1(91.5,55.957) 91.5,56.054 91.6,56.154 DD1.83@91.6,57.6
  Top Layer w0.6: DD4_Designator1.10@147.62,86.5 147.62,88.095 v1(147.675,88.15)
  Bottom Layer w0.3: v1(91.1,44.4) 90.296,45.204 90.296,46.074 90.496,46.275 90.496,54.057 91.5,55.061 v1(91.5,55.957) ; v1(93.624,43.697) 97.071,40.25 ; 118.935,45.296 119.033,45.296
  Bottom Layer w0.4: 97.071,40.25 103.379,40.25 103.385,40.256 104.175,40.256 104.181,40.25 113.987,40.25 118.935,45.198 118.935,45.296 ; 119.033,45.296 143,69.263
  Bottom Layer w0.5: 143,69.263 143,70
  Bottom Layer w0.6: 143,70 147.675,74.675 v1(147.675,88.15)
ГБ1: BH2.11 DD1.39 | length 48.3
  Top Layer w0.2: 70.75,19.25 70.8,19.25
  Top Layer w0.3: BH2.11@62.239,6 62.787,6.549 62.799,6.549 66.398,10.148 66.398,13.792 70.332,17.726 70.332,18.782 70.8,19.25 78.257,26.707 78.764,26.707 84.096,32.039 84.096,32.111 86.604,34.618 86.604,34.716 89.6,37.712 89.6,41.236 DD1.39@89.6,42.2
  Top Layer w0.6: BH2.11@61.86,6 BH2.11@62.239,6
ГБ2: BH2.12 DD1.40 | length 53.3
  Top Layer w0.3: BH2.12@59.32,6 60.82,4.5 63.044,4.5 67.5,8.956 67.5,14.187 70.904,17.591 70.904,18.14 84.596,31.832 84.596,31.903 87.104,34.411 87.104,34.509 90.1,37.505 90.1,41.443 DD1.40@90.1,42.2
ГБ3: BH2.13 DD1.41 | length 57.1
  Top Layer w0.3: BH2.13@56.78,6 59.08,3.7 62.951,3.7 68.25,8.999 68.25,14.23 71.404,17.384 71.404,17.918 87.604,34.118 87.604,34.302 90.6,37.298 DD1.41@90.6,42.2
ГБ4: BH2.14 DD1.42 | length 60.7
  Top Layer w0.3: BH2.14@54.24,6 57.04,3.2 63.158,3.2 68.75,8.792 68.75,14.023 71.904,17.177 71.904,17.711 88.104,33.911 88.104,34.095 91.1,37.091 DD1.42@91.1,42.2
ГБ5: BH2.15 DD1.43 | length 64.2
  Top Layer w0.3: BH2.15@51.7,6 55,2.7 63.366,2.7 69.25,8.584 69.25,13.791 72.404,16.945 72.404,17.504 88.604,33.704 88.604,33.887 91.6,36.884 DD1.43@91.6,42.2
ГБ6: BH2.16 DD1.44 | length 67.8
  Top Layer w0.3: BH2.16@49.16,6 52.96,2.2 63.573,2.2 69.75,8.377 69.75,13.583 72.904,16.737 72.904,17.297 89.104,33.496 89.104,33.68 92.1,36.676 DD1.44@92.1,42.2
ГБ7: BH2.17 DD1.45 | length 71.6
  Top Layer w0.3: BH2.17@46.62,6 51.07,1.55 63.775,1.55 70.5,8.275 70.5,13.626 73.404,16.53 73.404,17.09 89.604,33.289 89.604,33.462 92.6,36.458 DD1.45@92.6,42.2
ГБ8: BH2.18 DD1.46 | length 75.6
  Top Layer w0.2: 92.967,36.046 92.967,36.117
  Top Layer w0.3: BH2.18@44.08,6 49.305,0.775 64.025,0.775 71.035,7.785 71.035,13.455 73.904,16.323 73.904,16.882 92.967,35.945 92.967,36.117 93.1,36.251 DD1.46@93.1,42.2
РИ: BH2.10 VT1.2 | length 47
  Top Layer w1: v1(33.125,48.5) 33.125,53.025 VT1.2@33.2,53.1
  Bottom Layer w1: v1(33.125,48.5) 33.125,14.415 BH2.10@39,8.54
pads on no net: BH2.19 BH2.20 BH.9 BH.10 BH.11 BH.12 BH.13 DD1.23 DD1.56 DD1.57 DD1.58 DD1.59 DD1.60 DD1.61 DD1.62 DD1.68 DD1.69 DD1.70 DD1.71 DD1.73 DD4_Designator1.13 DD4_Designator1.16 DD4_Designator2.13 DD4_Designator2.16 DD4_Designator3.13 DD4_Designator3.16 DD4_Designator4.13 DD4_Designator4.16 DD4_Designator5.13 DD4_Designator5.16 DD4_Designator6.13 DD4_Designator6.16 XH16.5 XH16.6

## Polygon pours and split planes (outlines as drawn)
GND on Bottom Layer "GND_L02_P001" (solid, remove dead copper, pour order 1): 17,110 17,100 13,100 7,94 2,94 1,93 1,17 2,16 7,16 13,10 17,10 17,1 196,1 199,4 199,107 196,110
GND on Bottom Layer "NONET_L-01_P-001" (solid, pour order 6): 13,10 17,10 17,1 16.3,1 15.5,1.8 15.5,7.5
GND on Bottom Layer "NONET_L-01_P-001" (solid, pour order 5): 17.275,110 16,110 15.5,109.5 15.5,102.5 13,100 17,100
GND on Top Layer "NONET_L-01_P-001" (solid, remove dead copper, pour order 7): 27.175,110.65 174.525,110.175 173.425,101.975 181.55,101.975 180.575,110.175 196.45,110.175 195.525,2.175 183.075,2.175 181.175,10.3 174.075,10.65 171.792,1.325 24.613,1.088 27.7,4.55 26.673,10.684 13.222,12.478 1.65,24.05 1.65,92.085 17.55,101.025 27.175,101.425

## Keep-outs
Keep-Out Layer:
  circle w0.254: c23,6.7 r5
  circle w0.3: c177,6.7 r5
  circle w0.254: c177,105.3 r5
  circle w0.254: c23,105.3 r5

## Silkscreen, mask and mechanical layers (free items; w line width, h text height)
Mechanical 1:
  the board outline again, w0.254